# Altium PCB spd150.PcbDoc (part 12 of 15)
Units mil, origin at the board's own origin, x right, y up, seen from the top; angles counter-clockwise.
Board outline 8557 x 5807 mil, 10 copper layers (TOP, LYR2-PLN, LYR3-SIG, LYR4-SIG, LYR5-PLN, LYR6-PLN, LYR7-SIG, LYR8-SIG, LYR9-PLN, BOTTOM), stack 84 mil thick; 1065 components, 972 nets, 4226 pads, 2810 vias.
Unrouted connection lines stored in the file: 16.
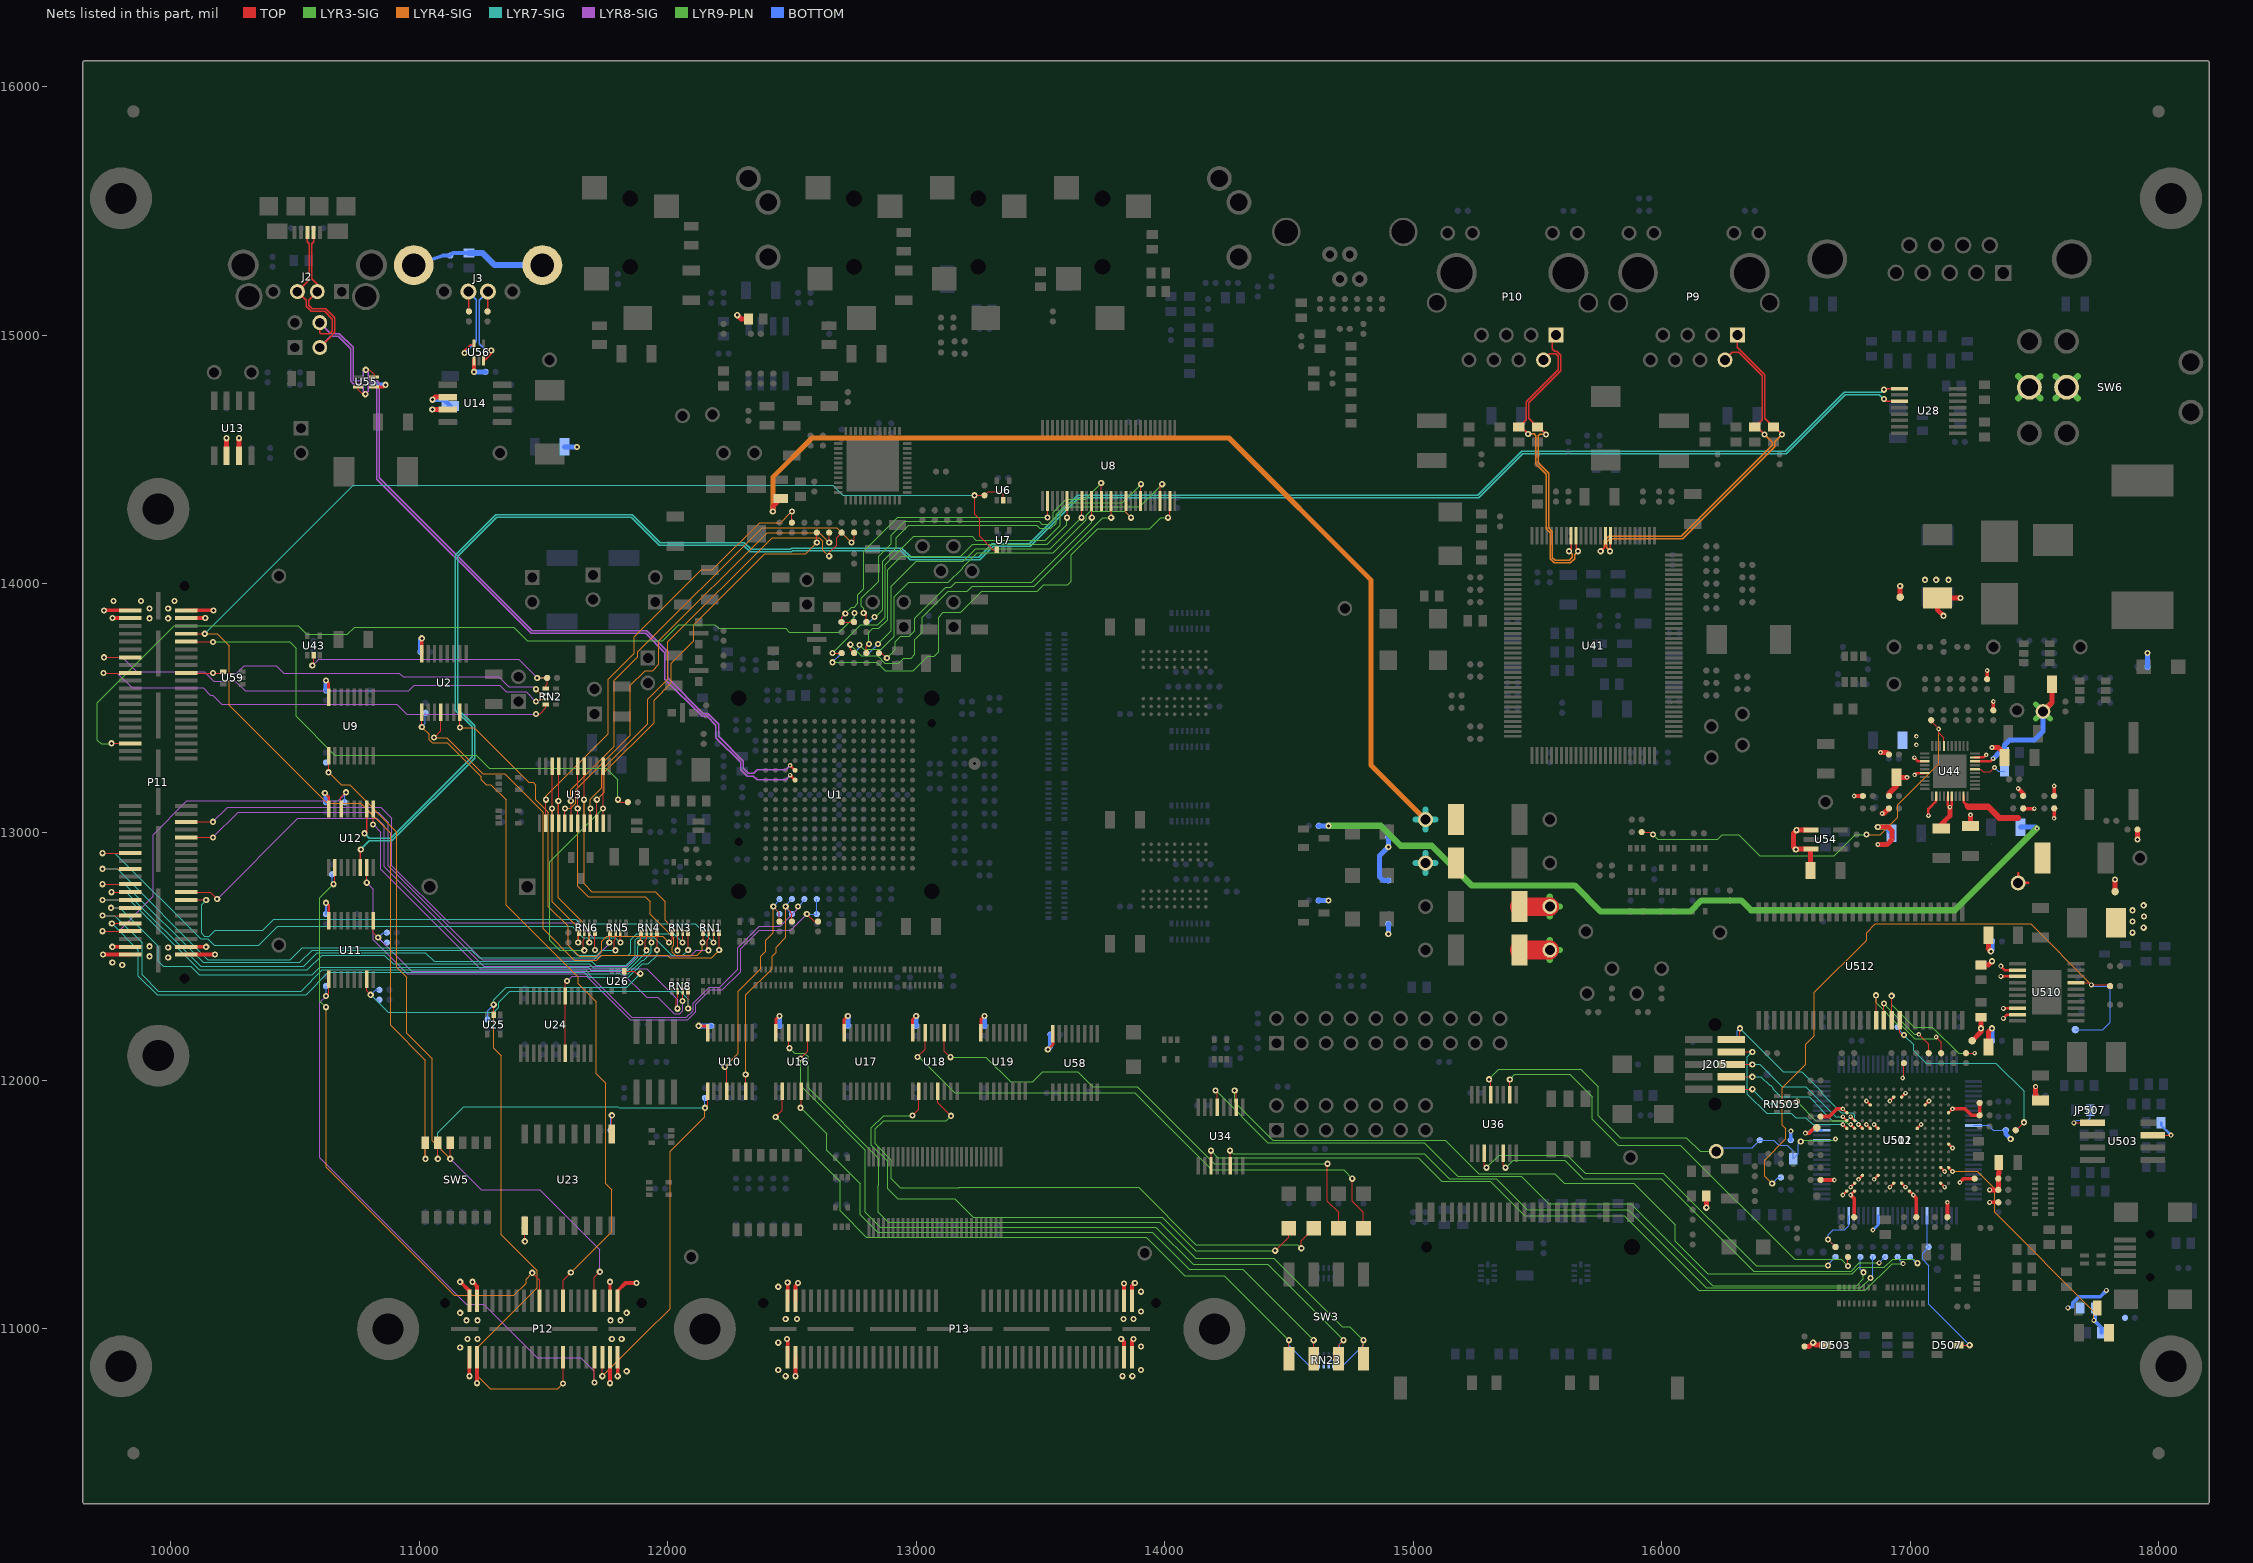
[diagram p20: the nets of this part, all layers, seen from the top]

## Via types
v1: diameter 25, hole 12, TOP to BOTTOM, 2018 vias
v2: diameter 19, hole 8, TOP to BOTTOM, 651 vias
v3: diameter 20, hole 10, TOP to BOTTOM, 120 vias
v4: diameter 22, hole 10, TOP to BOTTOM, 21 vias

## Nets (pads, with @x,y where several pads share a name; then routed paths per layer and width w, separated by ;. In a path a pad name is that pad's centre, name@x,y a point inside that pad or via, vN(x,y) a via of type N, cw(c..) or ccw(c..) an arc to the next point about the centre after c; other vN are vias at no path point) (continued)
SDCAS: R593.1 U512.17 | length 352.2
  TOP w5: U512.17@16894.5,12242 v1(16894.5,12309.5) ; v2(17035,12186) 17075,12146 R593.1@17075,12110
  LYR3-SIG w5: v1(16894.5,12309.5) 16905,12299 16905,12298.3 16970.4,12232.9 16970.4,12232.8 17017.2,12186 v2(17035,12186)
SDRAMCEN: R595.2 R613.1 U512.19 | length 876.3
  TOP w5: U512.19@16957.5,12242 16957.5,12192.2 16966.7,12183 v1(16975.1,12183) ; R595.2@17425,11800 17427,11800 v1(17459,11832)
  LYR7-SIG w4: 17088.1,12070 17255,12070
  LYR7-SIG w5: v1(16975.1,12183) 17015,12143.1 17015,12120 17065,12070 17088.1,12070 ; 17255,12070 17345,12070 17459,11956 v1(17459,11832)
  BOTTOM w5: R613.1@16950,12215 16950,12209 16975.1,12183.9 v1(16975.1,12183)
SDRAS: R594.1 U512.18 | length 584.4
  TOP w5: U512.18@16926,12242 v1(16926,12341) ; R594.1@17225,12110 v2(17260,12110)
  LYR3-SIG w5: v1(16926,12341) 16926,12305.7 17016.7,12215 17090,12215 17195,12110 v2(17260,12110)
SDWE: R592.1 U512.16 | length 508.6
  TOP w5: U512.16@16863,12242 v1(16863,12343) ; v2(17105,12175) 17125,12155 R592.1@17125,12110
  LYR3-SIG w5: v1(16863,12343) 16863,12312.7 16952.8,12222.9 16965.1,12222.9 17019,12169 17099,12169 v2(17105,12175)
SEL_ENETN_MCASP0: P11.8 R20.1 SW5.12 U6.2 U7.1 | length 6504.5
  TOP w5: P11.8@10063,13798 v1(10137,13798) ; v1(11025,11685) SW5.12@11025,11750 ; U7.1@13324.4,14136 13309,14136 13255,14190 13255,14259 13235,14279 v1(13235,14355) R20.1@13275,14355 13290,14370 13340,14370 13350,14360 U6.2@13350,14336
  LYR4-SIG w5: v1(10137,13798) 10187,13798 10235,13750 10235,13510 10630,13115 10765,13115 10885,12995 10885,12221.8 11025,12081.8 v1(11025,11685)
  LYR7-SIG w5: v1(10137,13798) 10734,14395 12665,14395 12705,14355 v1(13235,14355)
SEL_EXP2_QEP0: P12.25 R137.1 U25.2 U26.1 | length 2975.1
  TOP w5: U25.2@11300,12264 v1(11300,12305) ; v1(11579,10781) P12.25@11579,10887 ; U26.1@11825.6,12439 11866,12439 11875,12430 v1(11890,12430)
  LYR4-SIG w5: v1(11300,12305) 11300,12130 11330,12100 11330,11380 11475,11235 11475,11165 11240,10930 11240,10805 11285,10760 11558,10760 v1(11579,10781)
  LYR7-SIG w5: v1(11300,12305) 11300,12325 11350,12375 11835,12375 v1(11890,12430)
  BOTTOM w5: R137.1@11275,12245 11275,12280 v1(11300,12305)
SEL_EXP2_QEP1: P12.26 R18.1 U2.1 | length 2878.7
  TOP w5: v1(11010.4,13422.4) U2.1@11010.4,13482.4 ; P12.26@11579,11113 11579,11196 v1(11610,11227)
  LYR4-SIG w5: v1(11010.4,13422.4) 11040,13392.8 11040,13371.7 11051.7,13360 11113.3,13360 11250,13223.3 11250,13210 11269,13191 11289,13191 11350,13130 11350,12705 11640,12415 11640,12390 11712.5,12317.5 11712.5,12027.5 11750,11990 11750,11585 11775,11560 11775,11392 v1(11610,11227)
  BOTTOM w5: v1(11010.4,13422.4) 11025,13437 R18.1@11025,13480
SEL_EXP2_TIMER: P12.35 R47.1 SW5.11 U10.1 | length 2731.3
  TOP w5: v1(11075,11685) SW5.11@11075,11750 ; v1(11737,10810) P12.35@11737,10887 ; v1(12150,11890) 12150.4,11890 12160.4,11900 U10.1@12160.4,11957.4
  LYR4-SIG w5: v1(11737,10810) 11907,10980 11908.3,10980 12010.6,11082.3 12010.6,11715.6 12150,11855 v1(12150,11890)
  LYR7-SIG w5: v1(11075,11685) 11075,11790 11180,11895 11800,11895 11805,11890 v1(12150,11890)
  BOTTOM w5: v1(12150,11890) R47.1@12150,11930
SEL_EXP2_UART1: P12.34 R46.1 SW5.10 U9.1 | length 2922.3
  TOP w5: v1(10635.4,13240.4) U9.1@10635.4,13307.4 ; v1(11125,11685) SW5.10@11125,11750 ; P12.34@11705,11113 11705,11208 v1(11727,11230)
  LYR4-SIG w5: v1(10635.4,13240.4) 10685.8,13190 10720,13190 10910,13000 10910,12455 10950,12415 10950,12191 11053,12088 11053,11757 v1(11125,11685)
  LYR8-SIG w5: v1(11125,11685) 11250,11560 11485,11560 11727,11318 v1(11727,11230)
  BOTTOM w5: R46.1@10625,13280 10635.4,13269.6 v1(10635.4,13240.4)
SEL_SPI1_EXP1: P11.73 R51.1 U12.14 | length 1590.8
  TOP w5: v1(9725,12601) P11.73@9837,12601 ; U12.14@10686.6,13092.6 10685,13094.2 10685,13140 v1(10705,13160)
  LYR8-SIG w5: v1(9725,12601) 9790,12601 9930,12741 9930,12990 10065,13125 10675,13125 10705,13155 v1(10705,13160)
  BOTTOM w5: R51.1@10700,13120 10700,13155 v1(10705,13160)
SEL_SPI1_EXP2: P12.20 R50.1 U12.2 | length 2500.3
  TOP w5: v1(10655,12790) 10661,12796 U12.2@10661,12857.4 ; v1(11455,11226) 11485,11196 P12.20@11485,11113
  LYR3-SIG w5: v1(10625,12295) 10600,12320 10600,12735 v1(10655,12790)
  LYR4-SIG w5: v1(10625,12295) 10625,11651.2 11141.3,11134.9 11379.9,11134.9 11430,11185 11430,11201 v1(11455,11226)
  BOTTOM w5: R50.1@10650,12830 10650,12795 v1(10655,12790)
SEL_SPI1_EXP2_B: P12.33 R49.1 U11.1 | length 2380.3
  TOP w5: v1(10625,12340) 10635.4,12350.4 U11.1@10635.4,12407.4 ; v1(11705,10785) P12.33@11705,10887
  LYR8-SIG w5: v1(10625,12340) 10600,12315 10600,11690 11190,11100 11260,11100 11475,10885 11650,10885 11705,10830 v1(11705,10785)
  BOTTOM w5: v1(10625,12340) R49.1@10625,12380
SIN_SDA: JP507.2 U503.5 | length 178.4
  TOP w5: v3(17659.5,11829.2) 17660.3,11830 U503.5@17733.5,11830
  BOTTOM w5: v3(17659.5,11829.2) 17670.3,11840 17715,11840 17725,11850 JP507.2@17725,11880
SPI0_SCSN: R24.2 R27.1 R28.1 U24.8 U24.17 | length 1742.5
  TOP w5: U24.8@11588.4,12110 U24.17@11588.4,12340 11588.4,12393.4 v1(11595,12400) ; v1(12560,12670) 12590,12640 R28.1@12605,12640
  LYR8-SIG w5: v1(11595,12400) 11615,12420 11675,12420 11850,12245 12079.9,12245 12112.4,12277.5 12112.4,12306.6 12170.8,12365 12220,12365 12293.4,12438.4 12293.4,12529.7 12368.7,12605 12495,12605 v1(12560,12670)
  BOTTOM w5: v1(12560,12670) R24.2@12600,12670 R27.1@12600,12730
SPI1_SIMO: R37.2 R38.1 RN8.8 U11.7 | length 1629.4
  TOP w5: U11.7@10789,12407.4 10789,12361 v1(10805,12345) ; v1(12082.4,12290) RN8.8@12082.4,12359.5
  LYR7-SIG w5: v1(10805,12345) 10875,12275 11300,12275 11320,12295 11320,12315 11365,12360 12050,12360 12082.4,12327.6 v1(12082.4,12290)
  BOTTOM w5: R37.2@10840,12325 10825,12325 v1(10805,12345) 10825,12365 R38.1@10840,12365
SPI1_SOMI: R35.2 R36.1 RN8.7 U11.9 | length 1598.3
  TOP w5: U11.9@10814.6,12642.6 10814.6,12595.4 v1(10835,12575) ; v1(12059.8,12320.2) RN8.7@12059.8,12359.5
  LYR8-SIG w5: v1(10835,12575) 10970,12440 11810,12440 11915,12335 11960,12335 12026,12269 12049,12269 12059.8,12279.8 v1(12059.8,12320.2)
  BOTTOM w5: R35.2@10870,12555 10855,12555 v1(10835,12575) 10855,12595 R36.1@10870,12595
SPI_HOLD: R131.2 U23.1 | length 114
  TOP w5: v1(11425,11353) U23.1@11425,11415
  BOTTOM w5: v1(11425,11353) R131.2@11425,11405
SPI_WP: R132.2 U23.9 | length 137.1
  TOP w5: U23.9@11775,11785 v1(11775,11860)
  BOTTOM w5: R132.2@11770,11800 11770,11855 v1(11775,11860)
SYS_RESETN: R325.2 R388.1 U44.27 | length 1698.8
  TOP w5: R388.1@15920,13000 15955,13000 v1(15965,12990) ; R325.2@17085,13450 17085,13445 v2(17115,13415) 17115,13400 17136.4,13378.6 U44.27@17136.4,13346
  LYR3-SIG w5: v1(15965,12990) 15985,12970 16225,12970 16245,12990 16310,12990 16395,12905 16695,12905 16780,12990 v1(16825,12990)
  LYR4-SIG w5: v1(16825,12990) 16880,12990 16950,13060 16950,13110 17115,13275 v2(17115,13415)
T_ACLKR0: P11.17 RN2.8 | length 1978.1
  TOP w5: v1(9730,13640) P11.17@9837,13640 ; v1(11470,13475) 11485,13475 11509.5,13499.5 RN2.8@11509.5,13512.6
  LYR8-SIG w5: v1(9730,13640) 9785,13640 9845,13580 10130,13580 10160,13550 10170,13550 10205,13515 10910,13515 10950,13475 v1(11470,13475)
T_ACLKR1: P11.57 RN5.6 | length 2443.2
  TOP w5: v1(9725,12852) P11.57@9837,12852 ; v1(11789.6,12524.1) 11785,12528.7 11785,12565 11790.2,12570.2 RN5.6@11790.2,12594.5
  LYR7-SIG w5: v1(9725,12852) 9785,12852 10150,12487 10482,12487 10530,12535 11605,12535 11635.9,12504.1 11715.1,12504.1 11735.1,12524.1 v1(11789.6,12524.1)
T_ACLKX0: P11.18 RN2.6 U59.4 | length 1550
  TOP w5: P11.18@10063,13640 v1(10170,13640) 10205.4,13640 U59.4@10211,13645.6 ; v1(11470,13575) 11490.2,13554.8 RN2.6@11509.5,13554.8
  LYR8-SIG w5: v1(10170,13640) 10265,13640 10295,13670 10425,13670 10455,13640 10920,13640 10935,13625 11320,13625 11360,13585 11460,13585 v1(11470,13575)
T_ACLKX1: RN6.6 U3.11 U3.14 | length 1080.1
  TOP w5: v1(11664.6,12524.1) 11660,12528.7 11660,12565 11665.2,12570.2 RN6.6@11665.2,12594.5 ; U3.11@11740.2,13035 v1(11740.2,13095) U3.14@11740.2,13265
  LYR3-SIG w5: v1(11664.6,12524.1) 11565.9,12524.1 11525,12565 11525,12879.8 v1(11740.2,13095)
T_AFSR0: P11.13 RN2.7 | length 1978.7
  TOP w5: v1(9732,13703) P11.13@9837,13703 ; v1(11470,13525) 11480,13525 11490.2,13535.2 RN2.7@11509.5,13535.2
  LYR8-SIG w5: v1(9732,13703) 9805,13703 9863,13645 10135,13645 10172.5,13607.5 10260.5,13607.5 10300,13568 10958,13568 10980,13590 11325,13590 11350,13565 11430,13565 v1(11470,13525)
T_AFSR1: P11.53 RN5.7 | length 2447.6
  TOP w5: v1(9725,12915) P11.53@9837,12915 ; v1(11809.8,12555.2) RN5.7@11809.8,12594.5
  LYR7-SIG w5: v1(9725,12915) 9775,12915 10120,12570 10150,12570 10159,12561 10159,12560.7 10174.7,12545 10355,12545 10430,12620 11615,12620 11660,12575 11676.3,12575 11676.5,12575.2 11693.1,12575.2 11693.3,12575 11790,12575 v1(11809.8,12555.2)
T_AFSX0: R2.2 R3.1 RN2.5 U43.2 | length 1114.4
  TOP w5: v1(10570,13670) 10575,13675 U43.2@10575,13711 ; v1(11475,13620) R3.1@11515,13620 11515,13595 11509.5,13589.5 RN2.5@11509.5,13577.4
  LYR8-SIG w5: v1(10570,13670) 10595,13695 11400,13695 v1(11475,13620)
  BOTTOM w5: v1(11475,13620) R2.2@11515,13620
T_AFSX1: RN6.7 U3.4 U3.21 | length 891.8
  TOP w5: U3.4@11561,13035 11561,13124 v1(11560,13125) 11561,13126 U3.21@11561,13265 ; v1(11684.8,12555.2) RN6.7@11684.8,12594.5
  LYR4-SIG w5: v1(11560,13125) 11560,12735 11685,12610 11685,12555.4 v1(11684.8,12555.2)
T_AHCLKR0/RMII_MHZ_50: R11.1 R13.2 R17.1 U8.2 | length 1280.7
  TOP w5: v1(12715,13880) 12700,13865 R13.2@12700,13845 R11.1@12750,13845 ; v1(13529,14266) U8.2@13529,14332
  LYR3-SIG w5: v1(12715,13880) 12740,13905 12750,13905 12765,13920 12765,13955 12790,13980 12790,14130 12926,14266 v1(13529,14266)
  BOTTOM w5: R17.1@12700,13845 12700,13865 v1(12715,13880)
T_AHCLKR1: P11.50 RN5.5 | length 2164.1
  TOP w5: P11.50@10063,12978 v1(10170,12978) ; v1(11765,12555) 11767.6,12557.6 RN5.5@11767.6,12594.5
  LYR8-SIG w5: v1(10170,12978) 10272,13080 10835,13080 10875,13040 10875,12865 11253,12487 11702,12487 11765,12550 v1(11765,12555)
T_AHCLKX1: RN6.5 U3.3 U3.22 | length 854.4
  TOP w5: U3.3@11535.4,13035 11535.4,13094.6 v1(11535,13095) 11535.4,13095.4 U3.22@11535.4,13265 ; v1(11640,12555) 11642.6,12557.6 RN6.5@11642.6,12594.5
  LYR4-SIG w5: v1(11535,13095) 11535,12720 11640,12615 v1(11640,12555)
T_AIC_BCLK: R194.1 U3.10 | length 1633.4
  TOP w5: U3.10@11714.6,13035 11714.6,13083.6 11715,13084 v1(11715,13130) ; v1(12600,14165) R194.1@12600,14205
  LYR4-SIG w5: v1(11715,13130) 11745,13160 11745,13240 11945,13440 11945,13530 12015,13600 12015,13680 12105,13770 12105,13835 12390,14120 12555,14120 v1(12600,14165)
T_AIC_DIN: R196.1 U3.9 | length 1850.1
  TOP w5: U3.9@11689,13035 v1(11689,13095) ; v1(12650,14110) 12650,14125 12680,14155 12680,14185 R196.1@12700,14205
  LYR4-SIG w5: v1(11689,13095) 11689,13132.3 11735,13178.3 11735,13251 11920,13436 11920,13535 12000,13615 12000,13765 12420,14185 12610,14185 12625,14170 12625,14135 v1(12650,14110)
T_AIC_DOUT: R197.1 U3.6 | length 1938.9
  TOP w5: v1(11610,13125) 11612.2,13122.8 U3.6@11612.2,13035 ; v1(12740,14165) 12750,14175 R197.1@12750,14205
  LYR4-SIG w5: v1(11610,13125) 11610,13170 11785,13345 11785,13610 11880,13705 11880,13725 12380,14225 12680,14225 v1(12740,14165)
T_AIC_MCLK: R210.1 U3.2 | length 1786.3
  TOP w5: U3.2@11509.8,13035 11509.8,13129.8 v1(11510,13130) ; R210.1@12500,14245 v1(12500,14290)
  LYR4-SIG w5: v1(11510,13130) 11510,13145 11760,13395 11760,13615 11865,13720 11865,13785 12135,14055 12180,14055 12370,14245 12455,14245 v1(12500,14290)
T_AIC_WCLK: R195.1 U3.5 | length 1844.2
  TOP w5: U3.5@11586.6,13035 v1(11586.6,13095) ; v1(12650,14165) R195.1@12650,14205
  LYR4-SIG w5: v1(11586.6,13095) 11609,13095 11630,13116 11630,13170 11850,13390 11850,13590 11910,13650 11940,13650 11965,13675 11965,13770 12400,14205 12610,14205 v1(12650,14165)
T_AMUTE0: P11.10 R1.1 | length 2252.5
  TOP w5: P11.10@10063,13766 10169,13766 v1(10170,13765) ; v1(11800,13130) 11810,13120 R1.1@11840,13120
  LYR3-SIG w5: v1(10170,13765) 10480,13765 10505,13740 10505,13465 10660,13310 11230,13310 11282.5,13257.5 11752.5,13257.5 11800,13210 v1(11800,13130)
T_AMUTE1: P11.46 RN6.8 | length 2112.8
  TOP w5: P11.46@10063,13041 v1(10170,13041) ; v1(11707.4,12525) RN6.8@11707.4,12594.5
  LYR8-SIG w5: v1(10170,13041) 10229,13100 10845,13100 10890,13055 10890,12865 11120,12635 11640,12635 11707.4,12567.6 v1(11707.4,12525)
T_AXR0[0]/RMII_TXD[0]: R9.1 U8.6 | length 1277.5
  TOP w5: R9.1@12800,13720 12800,13747 v1(12810,13757) ; v1(13607,14265) 13607.7,14265.7 U8.6@13607.7,14332
  LYR3-SIG w5: v1(12810,13757) 12810,13805 12825,13820 12850,13820 12885,13855 12885,14055 12940,14110 13180,14110 13227.5,14157.5 13527.5,14157.5 13607,14237 v1(13607,14265)
T_AXR0[1]/RMII_TXD[1]: R10.1 U8.9 | length 1263.9
  TOP w5: v1(13665,14265) 13666.8,14266.8 U8.9@13666.8,14332
  LYR3-SIG w5: v1(12847,13757) 12900,13810 12900,13990 13000,14090 13190,14090 13240,14140 13540,14140 v1(13665,14265)
  BOTTOM w5: R10.1@12800,13720 12810,13720 v1(12847,13757)
T_AXR0[2]/RMII_TXEN: R8.1 U8.11 | length 1225.3
  TOP w5: R8.1@12850,13720 12862,13720 v1(12882,13700) ; U8.11@13706.1,14332 13706.1,14265.9 v1(13707,14265)
  LYR3-SIG w5: v1(12882,13700) 12915,13733 12915,13765 12937.5,13787.5 12972.5,13787.5 12995,13810 12995,13860 13120,13985 13140,13985 13160,14005 13465,14005 13707,14247 v1(13707,14265)
T_AXR0[3]/RMII_CRS_DV: R5.1 U8.13 | length 1437.1
  TOP w5: v1(12789,13881) 12800,13870 R5.1@12800,13845 ; v1(13744.5,14404.5) 13745.5,14403.5 U8.13@13745.5,14332
  LYR3-SIG w5: v1(12789,13881) 12789,13900 12780,13909 12780,13940 12850,14010 12850,14110 12900,14160 12900,14195 12955,14250 13495,14250 13506,14239 13531,14239 13551,14259 13551,14286 13605,14340 13680,14340 v1(13744.5,14404.5)
T_AXR0[4]/RMII_RXD[0]: R6.1 U8.15 | length 1500.9
  TOP w5: v1(12735,13754) 12735,13735 R6.1@12750,13720 ; v1(13784.8,14265.2) U8.15@13784.8,14332
  LYR3-SIG w5: v1(12735,13754) 12779,13710 12845,13710 12862,13693 12862,13691.7 12873.7,13680 12930,13680 12950,13700 12980,13700 12995,13715 12995,13775 13000,13780 13000,13780.3 13024.7,13805 13024.7,13864.7 13130,13970 13205,13970 13225,13990 13475,13990 13750,14265 13784.6,14265 v1(13784.8,14265.2)
T_AXR0[5]/RMII_RXD[1]: R7.1 U8.18 | length 1564.8
  TOP w5: U8.18@13843.9,14332 13843.9,14286.1 v1(13865,14265)
  LYR3-SIG w5: v1(12772,13753) 12790,13735 12860,13735 12912.5,13787.5 12912.5,13947.5 12970,14005 13130,14005 13187.5,14062.5 13187.5,14065.6 13245.2,14123.3 13551.6,14123.3 13685,14256.7 13685,14275 13700,14290 13840,14290 v1(13865,14265)
  BOTTOM w5: R7.1@12750,13720 12772,13742 v1(12772,13753)
T_AXR0[6]/RMII_RXER: R4.1 U8.21 | length 1572.3
  TOP w5: U8.21@13902.9,14332 13902.9,14397.9 v1(13905,14400)
  LYR3-SIG w5: v1(12832,13865) 12835,13865 12865,13895 12865,14090 12920,14145 12920,14185 12970,14235 13485,14235 13497.5,14222.5 13542.5,14222.5 13563.5,14243.5 13563.5,14278.5 13610,14325 13830,14325 v1(13905,14400)
  BOTTOM w5: R4.1@12800,13845 12812,13845 v1(12832,13865)
T_AXR0[7]/RMII_MDIO_CLK: R14.1 U8.27 | length 1884.3
  TOP w5: v1(14013,14265) 14021,14273 U8.27@14021,14332
  LYR3-SIG w5: v1(12663,13683) 12842,13683 12875,13650 12989,13650 13046.9,13707.1 13072.1,13707.1 13090,13725 13090,13865 13110,13885 13180,13885 13263.3,13968.3 13486.6,13968.3 13513.3,13995 13610,13995 13625,14010 13625,14115 13730,14220 13940,14220 13985,14265 v1(14013,14265)
  BOTTOM w5: v1(12663,13683) R14.1@12700,13720
T_AXR0[8]/RMII_MDIO_D: R12.1 U8.25 | length 1878.9
  TOP w5: v1(12663,13720) R12.1@12700,13720 ; U8.25@13981.6,14332 13981.6,14391.6 v1(13990,14400)
  LYR3-SIG w5: v1(12663,13720) 12778,13835 12845,13835 12875,13865 12875,14075 12990,14190 13225,14190 13240,14175 13520,14175 13580,14235 13580,14280 13610,14310 13900,14310 v1(13990,14400)
T_AXR0_11/AXR2_0/GPIO3_11: P11.35 R16.1 | length 3632
  TOP w5: v1(9762,13357) P11.35@9837,13357
  LYR3-SIG w5: v1(9762,13357) 9760,13355 9720,13355 9705,13370 9705,13520 10015,13830 10513,13830 10548,13795 10710,13795 10740,13825 11380,13825 11435,13770 11980,13770 12045,13835 12190,13835 12205,13820 12475,13820 12490,13805 12690,13805 12752,13867 v1(12752,13882)
  BOTTOM w5: R16.1@12750,13845 12750,13880 v1(12752,13882)
T_AXR1[0]: RN1.5 U3.7 U3.18 | length 1311.6
  TOP w5: U3.7@11637.8,13035 v1(11637.8,13095) U3.18@11637.8,13265 ; v1(12140,12555) 12142.6,12557.6 RN1.5@12142.6,12594.5
  LYR4-SIG w5: v1(11637.8,13095) 11637.8,12782.2 11680,12740 11910,12740 11930,12720 11930,12670 12025,12575 12025,12545 12019,12539 12019,12516.4 12031.4,12504 12119,12504 12140,12525 v1(12140,12555)
T_AXR1[1]: P11.64 RN1.6 | length 2691.9
  TOP w5: P11.64@10063,12758 10159,12758 v1(10187,12730) ; v1(12164.6,12524.1) 12160,12528.7 12160,12565 12165.2,12570.2 RN1.6@12165.2,12594.5
  LYR8-SIG w5: v1(10187,12730) 10512,13055 10830,13055 10860,13025 10860,12860 11260,12460 11835,12460 11877,12502 12092,12502 12114.1,12524.1 v1(12164.6,12524.1)
T_AXR1[2]: P11.66 RN1.7 | length 2395
  TOP w5: P11.66@10063,12727 v1(10143,12727) ; v1(12184.8,12555.2) RN1.7@12184.8,12594.5
  LYR7-SIG w5: v1(10143,12727) 10124,12708 10124,12592.7 10135.7,12581 10156.1,12581 10160,12584.9 10160,12585 10180,12605 10370,12605 10415,12650 11630,12650 11650,12630 12110,12630 v1(12184.8,12555.2)
T_AXR1[3]: RN1.8 U2.4 | length 2001.5
  TOP w5: v1(11060,13380) 11087.2,13407.2 U2.4@11087.2,13482.4 ; v1(12207.4,12525) RN1.8@12207.4,12594.5
  LYR4-SIG w5: v1(11060,13380) 11110,13380 11255,13235 11345,13235 11500,13080 11500,12610 11625,12485 11715,12485 11734,12504 11999,12504 12009,12494 12176.4,12494 v1(12207.4,12525)
T_AXR1[4]: RN3.5 U2.7 | length 1696.6
  TOP w5: v1(11164,13421) U2.7@11164,13482.4 ; v1(12005,12555) 12017.6,12567.6 RN3.5@12017.6,12594.5
  LYR4-SIG w5: v1(11164,13421) 11165,13420 11222.3,13420 11441.7,13200.6 11458.3,13200.6 11470,13188.9 11470,13130 11520,13080 11520,12700 11600,12620 11600,12545 11645,12500 11715,12500 11735,12520 11735,12560 11755,12580 11980,12580 v1(12005,12555)
T_AXR1[5]: RN3.6 U3.8 U3.17 | length 1211.8
  TOP w5: U3.8@11663.4,13035 v1(11663.4,13130) U3.17@11663.4,13265 ; v1(12039.6,12524.1) 12039.6,12569.6 12040.2,12570.2 RN3.6@12040.2,12594.5
  LYR4-SIG w5: v1(11663.4,13130) 11663.4,12791.6 11695,12760 11950,12760 11990,12720 11990,12645 12039.6,12595.4 v1(12039.6,12524.1)
T_AXR1[6]: P11.61 RN3.7 | length 2735
  TOP w5: v1(9725,12790) P11.61@9837,12790 ; v1(12059.8,12555.2) RN3.7@12059.8,12594.5
  LYR7-SIG w5: v1(9725,12790) 9815,12790 10130,12475 10520,12475 10570,12525 11210,12525 11241,12494 11720,12494 11730,12504 11841.4,12504 11852.4,12515 11852.4,12567.4 11875,12590 12025,12590 v1(12059.8,12555.2)
T_AXR1[7]: P11.63 RN3.8 | length 2754.6
  TOP w5: v1(9762,12758) P11.63@9837,12758 ; v1(12082.4,12525) RN3.8@12082.4,12594.5
  LYR7-SIG w5: v1(9762,12758) 9822,12758 10120,12460 10535,12460 10590,12515 11025,12515 11060,12480 11695,12480 11711,12464 11833.4,12464 11870,12500.6 11870,12565.8 11879.2,12575 11926.3,12575 11926.5,12575.2 11943.1,12575.2 11943.3,12575 11945,12575 12015.9,12504.1 12061.5,12504.1 v1(12082.4,12525)
T_AXR1[8]: P11.65 RN4.5 | length 2550.7
  TOP w5: v1(9725,12727) P11.65@9837,12727 ; v1(11890,12555) 11892.6,12557.6 RN4.5@11892.6,12594.5
  LYR7-SIG w5: v1(9725,12727) 9833.8,12727 10115.8,12445 10550,12445 10610,12505 10860,12505 10895,12470 11685,12470 11701,12454 11837.6,12454 11880,12496.4 11880,12540 11890,12550 v1(11890,12555)
T_AXR1[9]: P11.67 RN4.6 | length 2507.5
  TOP w5: v1(9760,12695) P11.67@9837,12695 ; v1(11914.6,12524.1) 11910,12528.7 11910,12565 11915.2,12570.2 RN4.6@11915.2,12594.5
  LYR7-SIG w5: v1(9760,12695) 9795,12695 9950,12540 9950,12480 9970,12460 10080,12460 10115,12425 10570,12425 10600,12455 11680,12455 11691,12444 11841.8,12444 11914.6,12516.8 v1(11914.6,12524.1)

## Text inside footprints (layer, text, board x,y; h text height)
C228: PIN_NUMBER "2" at 16217,14480 h20 r270; PIN_NUMBER "1" at 16217,14520 h20 r270; ASSEMBLY_TOP "USERPART#" at 16075,14500 h25 r270; ASSEMBLY_TOP "TOLERANCE" at 16125,14500 h25 r270; ASSEMBLY_TOP "0.1uF" at 16225,14500 h25 r270; SYMBOL_PART_DIM "0" at 16212,14592 h25 r270; SYMBOL_PART_DIM "0" at 16141,14508 h25 r270; SYMBOL_PART_DIM "C402-35X32" at 16087,14623 h25 r270; SYMBOL_PART_DIM "PAD 35X32 OV" at 16037,14623 h25 r270
C229: PIN_NUMBER "2" at 15492,14480 h20 r270; PIN_NUMBER "1" at 15492,14520 h20 r270; ASSEMBLY_TOP "USERPART#" at 15350,14500 h25 r270; ASSEMBLY_TOP "TOLERANCE" at 15400,14500 h25 r270; ASSEMBLY_TOP "0.1uF" at 15500,14500 h25 r270; SYMBOL_PART_DIM "0" at 15487,14592 h25 r270; SYMBOL_PART_DIM "0" at 15416,14508 h25 r270; SYMBOL_PART_DIM "C402-35X32" at 15362,14623 h25 r270; SYMBOL_PART_DIM "PAD 35X32 OV" at 15312,14623 h25 r270
C230: PIN_NUMBER "2" at 16036,14495 h35 r180; PIN_NUMBER "1" at 16036,14655 h35 r180; Top Overlay "1000pF 2kV" at 15938,14587 h25 r180; Top Overlay "X" at 15919,14587 h25 r180; Top Overlay "X" at 15903,14585 h25 r180
C231: PIN_NUMBER "2" at 16369,14675 h40 r180; PIN_NUMBER "1" at 16249,14675 h40 r180; SYMB_DIM "0" at 16150,14700 h40 r180; SYMB_DIM "0" at 16300,14825 h40 r180; SYMB_DIM "C1206-40X70" at 16249,14470 h40 r180; SYMB_DIM "SP  40X70OV" at 16259,15050 h40 r180; SYMB_DIM "SM  48X78" at 16241,14975 h40 r180; SYMB_DIM "PAD 40X70OV" at 16259,14900 h40 r180; ASSEMBLY_BOTTOM "+" at 16210,14690 h40 r180; ASSEMBLY_BOTTOM "X" at 16365,14690 h40 r180; ASSEMBLY_BOTTOM "X" at 16325,14690 h40 r180; ASSEMBLY_BOTTOM "10uF" at 16290,14690 h40 r180; Bottom Overlay "+" at 16200,14680 h35 r180
C232: PIN_NUMBER "2" at 15267,14480 h20 r270; PIN_NUMBER "1" at 15267,14520 h20 r270; ASSEMBLY_TOP "USERPART#" at 15125,14500 h25 r270; ASSEMBLY_TOP "TOLERANCE" at 15175,14500 h25 r270; ASSEMBLY_TOP "0.1uF" at 15275,14500 h25 r270; SYMBOL_PART_DIM "0" at 15262,14592 h25 r270; SYMBOL_PART_DIM "0" at 15191,14508 h25 r270; SYMBOL_PART_DIM "C402-35X32" at 15137,14623 h25 r270; SYMBOL_PART_DIM "PAD 35X32 OV" at 15087,14623 h25 r270
C233: PIN_NUMBER "2" at 10567,13730 h20 r90; PIN_NUMBER "1" at 10567,13770 h20 r90; ASSEMBLY_BOTTOM "USERPART#" at 10725,13750 h25 r90; ASSEMBLY_BOTTOM "TOLERANCE" at 10675,13750 h25 r90; SYMBOL_PART_DIM "0" at 10588,13842 h25 r90; SYMBOL_PART_DIM "0" at 10659,13758 h25 r90; SYMBOL_PART_DIM "C402-35X32" at 10713,13873 h25 r90; SYMBOL_PART_DIM "PAD 35X32 OV" at 10763,13873 h25 r90
C234: PIN_NUMBER "2" at 16809,13220 h40 r180; PIN_NUMBER "1" at 16929,13220 h40 r180; Top Overlay "+" at 17020,13215 h35 r180; ASSEMBLY_TOP "+" at 17000,13235 h40 r180; ASSEMBLY_TOP "X" at 16845,13235 h40 r180; ASSEMBLY_TOP "X" at 16885,13235 h40 r180; ASSEMBLY_TOP "10uF" at 16920,13235 h40 r180; SYMB_DIM "0" at 17060,13245 h40 r180; SYMB_DIM "0" at 16910,13370 h40 r180; SYMB_DIM "C1206-40X70" at 16609,13015 h40 r180; SYMB_DIM "SP  40X70OV" at 16599,13595 h40 r180; SYMB_DIM "SM  48X78" at 16681,13520 h40 r180; SYMB_DIM "PAD 40X70OV" at 16599,13445 h40 r180
C235: PIN_NUMBER "2" at 16907,13145 h20; PIN_NUMBER "1" at 16947,13145 h20; ASSEMBLY_BOTTOM "USERPART#" at 16935,12995 h25; ASSEMBLY_BOTTOM "TOLERANCE" at 16935,13045 h25; ASSEMBLY_BOTTOM "0.1uF" at 16935,13145 h25; SYMBOL_PART_DIM "0" at 17027,13132 h25; SYMBOL_PART_DIM "0" at 16943,13061 h25; SYMBOL_PART_DIM "C402-35X32" at 17058,13007 h25; SYMBOL_PART_DIM "PAD 35X32 OV" at 17058,12957 h25
C236: PIN_NUMBER "2" at 16834,13370 h40; PIN_NUMBER "1" at 16954,13370 h40; SYMB_DIM "0" at 17085,13345 h40; SYMB_DIM "0" at 16935,13220 h40; SYMB_DIM "C1206-40X70" at 16634,13575 h40; SYMB_DIM "SP  40X70OV" at 16624,12995 h40; SYMB_DIM "SM  48X78" at 16706,13070 h40; SYMB_DIM "PAD 40X70OV" at 16624,13145 h40; ASSEMBLY_BOTTOM "X" at 16870,13355 h40; ASSEMBLY_BOTTOM "X" at 16910,13355 h40; ASSEMBLY_BOTTOM "22uF" at 16945,13355 h40
C237: PIN_NUMBER "2" at 17029,12995 h40 r180; PIN_NUMBER "1" at 16909,12995 h40 r180; SYMB_DIM "0" at 16810,13020 h40 r180; SYMB_DIM "0" at 16960,13145 h40 r180; SYMB_DIM "C1206-40X70" at 16909,12790 h40 r180; SYMB_DIM "SP  40X70OV" at 16919,13370 h40 r180; SYMB_DIM "SM  48X78" at 16901,13295 h40 r180; SYMB_DIM "PAD 40X70OV" at 16919,13220 h40 r180; ASSEMBLY_BOTTOM "X" at 17025,13010 h40 r180; ASSEMBLY_BOTTOM "X" at 16985,13010 h40 r180; ASSEMBLY_BOTTOM "22uF" at 16950,13010 h40 r180
C238: PIN_NUMBER "2" at 17109,12895 h40 r270; PIN_NUMBER "1" at 17109,13015 h40 r270; Top Overlay "+" at 17130,13075 h35 r270; ASSEMBLY_TOP "+" at 17110,13070 h40 r270; ASSEMBLY_TOP "X" at 17110,12915 h40 r270; ASSEMBLY_TOP "X" at 17110,12955 h40 r270; ASSEMBLY_TOP "10uF" at 17110,12990 h40 r270; SYMB_DIM "0" at 17100,13130 h40 r270; SYMB_DIM "0" at 16975,12980 h40 r270; SYMB_DIM "C1206-40X70" at 17154,12855 h40 r270; SYMB_DIM "SP  40X70OV" at 16574,12845 h40 r270; SYMB_DIM "SM  48X78" at 16681,12895 h40 r270; SYMB_DIM "PAD 40X70OV" at 16724,12845 h40 r270
C239: PIN_NUMBER "2" at 17102,13615 h20 r90; PIN_NUMBER "1" at 17102,13575 h20 r90; ASSEMBLY_TOP "USERPART#" at 17260,13595 h25 r90; ASSEMBLY_TOP "TOLERANCE" at 17210,13595 h25 r90; ASSEMBLY_TOP "0.001uF" at 17110,13595 h25 r90; SYMBOL_PART_DIM "0" at 17123,13503 h25 r90; SYMBOL_PART_DIM "0" at 17194,13587 h25 r90; SYMBOL_PART_DIM "C402-35X32" at 17248,13472 h25 r90; SYMBOL_PART_DIM "PAD 35X32 OV" at 17298,13472 h25 r90
C240: PIN_NUMBER "2" at 17227,12904 h40 r270; PIN_NUMBER "1" at 17227,13024 h40 r270; Top Overlay "+" at 17195,13075 h35 r270; ASSEMBLY_TOP "+" at 17228,13079 h40 r270; ASSEMBLY_TOP "X" at 17228,12924 h40 r270; ASSEMBLY_TOP "X" at 17228,12964 h40 r270; ASSEMBLY_TOP "10uF" at 17228,12999 h40 r270; SYMB_DIM "0" at 17218,13139 h40 r270; SYMB_DIM "0" at 17093,12989 h40 r270; SYMB_DIM "C1206-40X70" at 17272,12864 h40 r270; SYMB_DIM "SP  40X70OV" at 16692,12854 h40 r270; SYMB_DIM "SM  48X78" at 16799,12904 h40 r270; SYMB_DIM "PAD 40X70OV" at 16842,12854 h40 r270
C241: PIN_NUMBER "2" at 17309,13020 h40; PIN_NUMBER "1" at 17429,13020 h40; SYMB_DIM "0" at 17560,12995 h40; SYMB_DIM "0" at 17410,12870 h40; SYMB_DIM "C1206-40X70" at 17109,13225 h40; SYMB_DIM "SP  40X70OV" at 17099,12645 h40; SYMB_DIM "SM  48X78" at 17181,12720 h40; SYMB_DIM "PAD 40X70OV" at 17099,12795 h40; ASSEMBLY_BOTTOM "X" at 17345,13005 h40; ASSEMBLY_BOTTOM "X" at 17385,13005 h40; ASSEMBLY_BOTTOM "22uF" at 17420,13005 h40
C242: PIN_NUMBER "2" at 17499,13395 h40; PIN_NUMBER "1" at 17379,13395 h40; ASSEMBLY_TOP "X" at 17495,13380 h40; ASSEMBLY_TOP "X" at 17455,13380 h40; ASSEMBLY_TOP "22uF" at 17420,13380 h40; SYMB_DIM "0" at 17280,13370 h40; SYMB_DIM "0" at 17430,13245 h40; SYMB_DIM "C1206-40X70" at 17379,13600 h40; SYMB_DIM "SP  40X70OV" at 17389,13020 h40; SYMB_DIM "SM  48X78" at 17371,13095 h40; SYMB_DIM "PAD 40X70OV" at 17389,13170 h40
C243: PIN_NUMBER "2" at 17429,13330 h20 r180; PIN_NUMBER "1" at 17369,13330 h20 r180; SYMB_DIM "0" at 17270,13340 h40 r180; SYMB_DIM "0" at 17390,13455 h40 r180; SYMB_DIM "C603-35X45" at 17260,13170 h40 r180; SYMB_DIM "SP  35X45OV" at 17250,13665 h40 r180; SYMB_DIM "SM  43X53OV" at 17250,13595 h40 r180; SYMB_DIM "PAD 35X45OV" at 17250,13520 h40 r180; ASSEMBLY_BOTTOM "X" at 17460,13330 h40 r180; ASSEMBLY_BOTTOM "X" at 17425,13335 h40 r180; ASSEMBLY_BOTTOM "2.2uF" at 17390,13335 h40 r180
C244: PIN_NUMBER "2" at 17484,13300 h40; PIN_NUMBER "1" at 17364,13300 h40; Top Overlay "+" at 17365,13230 h35; ASSEMBLY_TOP "+" at 17325,13285 h40; ASSEMBLY_TOP "X" at 17480,13285 h40; ASSEMBLY_TOP "X" at 17440,13285 h40; ASSEMBLY_TOP "10uF" at 17405,13285 h40; SYMB_DIM "0" at 17265,13275 h40; SYMB_DIM "0" at 17415,13150 h40; SYMB_DIM "C1206-40X70" at 17364,13505 h40; SYMB_DIM "SP  40X70OV" at 17374,12925 h40; SYMB_DIM "SM  48X78" at 17356,13000 h40; SYMB_DIM "PAD 40X70OV" at 17374,13075 h40
C245: PIN_NUMBER "2" at 17429,13255 h20 r180; PIN_NUMBER "1" at 17369,13255 h20 r180; SYMB_DIM "0" at 17270,13265 h40 r180; SYMB_DIM "0" at 17390,13380 h40 r180; SYMB_DIM "C603-35X45" at 17260,13095 h40 r180; SYMB_DIM "SP  35X45OV" at 17250,13590 h40 r180; SYMB_DIM "SM  43X53OV" at 17250,13520 h40 r180; SYMB_DIM "PAD 35X45OV" at 17250,13445 h40 r180; ASSEMBLY_BOTTOM "X" at 17460,13255 h40 r180; ASSEMBLY_BOTTOM "X" at 17425,13260 h40 r180; ASSEMBLY_BOTTOM "2.2uF" at 17390,13260 h40 r180
C246: PIN_NUMBER "2" at 17452,13715 h20 r270; PIN_NUMBER "1" at 17452,13675 h20 r270; ASSEMBLY_BOTTOM "USERPART#" at 17310,13695 h25 r270; ASSEMBLY_BOTTOM "TOLERANCE" at 17360,13695 h25 r270; ASSEMBLY_BOTTOM "0.1uF" at 17460,13695 h25 r270; SYMBOL_PART_DIM "0" at 17447,13603 h25 r270; SYMBOL_PART_DIM "0" at 17376,13687 h25 r270; SYMBOL_PART_DIM "C402-35X32" at 17322,13572 h25 r270; SYMBOL_PART_DIM "PAD 35X32 OV" at 17272,13572 h25 r270
C247: PIN_NUMBER "2" at 16122,12995 h20 r180; PIN_NUMBER "1" at 16162,12995 h20 r180; ASSEMBLY_TOP "USERPART#" at 16150,13145 h25 r180; ASSEMBLY_TOP "TOLERANCE" at 16150,13095 h25 r180; ASSEMBLY_TOP "0.1uF" at 16150,12995 h25 r180; SYMBOL_PART_DIM "0" at 16242,13008 h25 r180; SYMBOL_PART_DIM "0" at 16158,13079 h25 r180; SYMBOL_PART_DIM "C402-35X32" at 16273,13133 h25 r180; SYMBOL_PART_DIM "PAD 35X32 OV" at 16273,13183 h25 r180
C248: PIN_NUMBER "2" at 17532,13670 h20; PIN_NUMBER "1" at 17572,13670 h20; ASSEMBLY_BOTTOM "USERPART#" at 17560,13520 h25; ASSEMBLY_BOTTOM "TOLERANCE" at 17560,13570 h25; ASSEMBLY_BOTTOM "0.1uF" at 17560,13670 h25; SYMBOL_PART_DIM "0" at 17652,13657 h25; SYMBOL_PART_DIM "0" at 17568,13586 h25; SYMBOL_PART_DIM "C402-35X32" at 17683,13532 h25; SYMBOL_PART_DIM "PAD 35X32 OV" at 17683,13482 h25
C249: PIN_NUMBER "2" at 15997,12995 h20 r180; PIN_NUMBER "1" at 16037,12995 h20 r180; ASSEMBLY_TOP "USERPART#" at 16025,13145 h25 r180; ASSEMBLY_TOP "TOLERANCE" at 16025,13095 h25 r180; ASSEMBLY_TOP "0.1uF" at 16025,12995 h25 r180; SYMBOL_PART_DIM "0" at 16117,13008 h25 r180; SYMBOL_PART_DIM "0" at 16033,13079 h25 r180; SYMBOL_PART_DIM "C402-35X32" at 16148,13133 h25 r180; SYMBOL_PART_DIM "PAD 35X32 OV" at 16148,13183 h25 r180
C250: PIN_NUMBER "2" at 16817,13595 h20 r180; PIN_NUMBER "1" at 16777,13595 h20 r180; ASSEMBLY_BOTTOM "USERPART#" at 16805,13745 h25 r180; ASSEMBLY_BOTTOM "TOLERANCE" at 16805,13695 h25 r180; ASSEMBLY_BOTTOM "0.1uF" at 16805,13595 h25 r180; SYMBOL_PART_DIM "0" at 16713,13608 h25 r180; SYMBOL_PART_DIM "0" at 16797,13679 h25 r180; SYMBOL_PART_DIM "C402-35X32" at 16682,13733 h25 r180; SYMBOL_PART_DIM "PAD 35X32 OV" at 16682,13783 h25 r180
C251: PIN_NUMBER "2" at 15962,12810 h20 r90; PIN_NUMBER "1" at 15962,12850 h20 r90; ASSEMBLY_BOTTOM "USERPART#" at 16120,12830 h25 r90; ASSEMBLY_BOTTOM "TOLERANCE" at 16070,12830 h25 r90; ASSEMBLY_BOTTOM "0.1uF" at 15970,12830 h25 r90; SYMBOL_PART_DIM "0" at 15983,12922 h25 r90; SYMBOL_PART_DIM "0" at 16054,12838 h25 r90; SYMBOL_PART_DIM "C402-35X32" at 16108,12953 h25 r90; SYMBOL_PART_DIM "PAD 35X32 OV" at 16158,12953 h25 r90
C252: PIN_NUMBER "2" at 16702,13635 h20 r270; PIN_NUMBER "1" at 16702,13595 h20 r270; ASSEMBLY_BOTTOM "USERPART#" at 16560,13615 h25 r270; ASSEMBLY_BOTTOM "TOLERANCE" at 16610,13615 h25 r270; ASSEMBLY_BOTTOM "0.1uF" at 16710,13615 h25 r270; SYMBOL_PART_DIM "0" at 16697,13523 h25 r270; SYMBOL_PART_DIM "0" at 16626,13607 h25 r270; SYMBOL_PART_DIM "C402-35X32" at 16572,13492 h25 r270; SYMBOL_PART_DIM "PAD 35X32 OV" at 16522,13492 h25 r270
C253: PIN_NUMBER "2" at 17677,13565 h20 r270; PIN_NUMBER "1" at 17677,13525 h20 r270; ASSEMBLY_BOTTOM "USERPART#" at 17535,13545 h25 r270; ASSEMBLY_BOTTOM "TOLERANCE" at 17585,13545 h25 r270; ASSEMBLY_BOTTOM "0.1uF" at 17685,13545 h25 r270; SYMBOL_PART_DIM "0" at 17672,13453 h25 r270; SYMBOL_PART_DIM "0" at 17601,13537 h25 r270; SYMBOL_PART_DIM "C402-35X32" at 17547,13422 h25 r270; SYMBOL_PART_DIM "PAD 35X32 OV" at 17497,13422 h25 r270
C254: PIN_NUMBER "2" at 17757,13520 h20; PIN_NUMBER "1" at 17797,13520 h20; ASSEMBLY_BOTTOM "USERPART#" at 17785,13370 h25; ASSEMBLY_BOTTOM "TOLERANCE" at 17785,13420 h25; ASSEMBLY_BOTTOM "0.1uF" at 17785,13520 h25; SYMBOL_PART_DIM "0" at 17877,13507 h25; SYMBOL_PART_DIM "0" at 17793,13436 h25; SYMBOL_PART_DIM "C402-35X32" at 17908,13382 h25; SYMBOL_PART_DIM "PAD 35X32 OV" at 17908,13332 h25
C255: PIN_NUMBER "2" at 15867,12765 h20 r270; PIN_NUMBER "1" at 15867,12725 h20 r270; ASSEMBLY_BOTTOM "USERPART#" at 15725,12745 h25 r270; ASSEMBLY_BOTTOM "TOLERANCE" at 15775,12745 h25 r270; SYMBOL_PART_DIM "0" at 15862,12653 h25 r270; SYMBOL_PART_DIM "0" at 15791,12737 h25 r270; SYMBOL_PART_DIM "C402-35X32" at 15737,12622 h25 r270; SYMBOL_PART_DIM "PAD 35X32 OV" at 15687,12622 h25 r270
C256: PIN_NUMBER "2" at 16117,12765 h20 r270; PIN_NUMBER "1" at 16117,12725 h20 r270; ASSEMBLY_BOTTOM "USERPART#" at 15975,12745 h25 r270; ASSEMBLY_BOTTOM "TOLERANCE" at 16025,12745 h25 r270; ASSEMBLY_BOTTOM "0.1uF" at 16125,12745 h25 r270; SYMBOL_PART_DIM "0" at 16112,12653 h25 r270; SYMBOL_PART_DIM "0" at 16041,12737 h25 r270; SYMBOL_PART_DIM "C402-35X32" at 15987,12622 h25 r270; SYMBOL_PART_DIM "PAD 35X32 OV" at 15937,12622 h25 r270
C257: PIN_NUMBER "2" at 15992,12765 h20 r270; PIN_NUMBER "1" at 15992,12725 h20 r270; ASSEMBLY_BOTTOM "USERPART#" at 15850,12745 h25 r270; ASSEMBLY_BOTTOM "TOLERANCE" at 15900,12745 h25 r270; ASSEMBLY_BOTTOM "0.1uF" at 16000,12745 h25 r270; SYMBOL_PART_DIM "0" at 15987,12653 h25 r270; SYMBOL_PART_DIM "0" at 15916,12737 h25 r270; SYMBOL_PART_DIM "C402-35X32" at 15862,12622 h25 r270; SYMBOL_PART_DIM "PAD 35X32 OV" at 15812,12622 h25 r270
C258: PIN_NUMBER "2" at 16167,12725 h20 r90; PIN_NUMBER "1" at 16167,12765 h20 r90; ASSEMBLY_BOTTOM "USERPART#" at 16325,12745 h25 r90; ASSEMBLY_BOTTOM "TOLERANCE" at 16275,12745 h25 r90; ASSEMBLY_BOTTOM "1uF" at 16175,12745 h25 r90; SYMBOL_PART_DIM "0" at 16188,12837 h25 r90; SYMBOL_PART_DIM "0" at 16259,12753 h25 r90; SYMBOL_PART_DIM "C402-35X32" at 16313,12868 h25 r90; SYMBOL_PART_DIM "PAD 35X32 OV" at 16363,12868 h25 r90
C259: PIN_NUMBER "2" at 17119,14195 h40 r90; PIN_NUMBER "1" at 17069,13870 h40 r90; ASSEMBLY_TOP "X" at 17180,14045 h40 r90; ASSEMBLY_TOP "X" at 17180,13995 h40 r90; ASSEMBLY_TOP "47uF" at 17180,13950 h40 r90; SYMB_DIM "0" at 17130,13765 h40 r90; SYMB_DIM "0" at 17330,14050 h40 r90; SYMB_DIM "C7343-84X118" at 16710,13770 h40 r90; SYMB_DIM "SP  84X118REC" at 17560,13770 h40 r90; SYMB_DIM "SM  92X126REC" at 17485,13770 h40 r90; SYMB_DIM "PAD 84X118REC" at 17410,13770 h40 r90
C260: PIN_NUMBER "2" at 16704,12845 h40; PIN_NUMBER "1" at 16584,12845 h40; Top Overlay "+" at 16535,12840 h35; ASSEMBLY_TOP "+" at 16545,12830 h40; ASSEMBLY_TOP "X" at 16700,12830 h40; ASSEMBLY_TOP "X" at 16660,12830 h40; ASSEMBLY_TOP "10uF" at 16625,12830 h40; SYMB_DIM "0" at 16485,12820 h40; SYMB_DIM "0" at 16635,12695 h40; SYMB_DIM "C1206-40X70" at 16584,13050 h40; SYMB_DIM "SP  40X70OV" at 16594,12470 h40; SYMB_DIM "SM  48X78" at 16576,12545 h40; SYMB_DIM "PAD 40X70OV" at 16594,12620 h40
C261: PIN_NUMBER "2" at 16777,12950 h20 r270; PIN_NUMBER "1" at 16777,12990 h20 r270; ASSEMBLY_TOP "USERPART#" at 16635,12970 h25 r270; ASSEMBLY_TOP "TOLERANCE" at 16685,12970 h25 r270; ASSEMBLY_TOP "5.6pF" at 16785,12970 h25 r270; SYMBOL_PART_DIM "0" at 16772,13062 h25 r270; SYMBOL_PART_DIM "0" at 16701,12978 h25 r270; SYMBOL_PART_DIM "C402-35X32" at 16647,13093 h25 r270; SYMBOL_PART_DIM "PAD 35X32 OV" at 16597,13093 h25 r270
C262: PIN_NUMBER "2" at 16644,13355 h40 r90; PIN_NUMBER "1" at 16644,13235 h40 r90; Top Overlay "+" at 16725,13230 h35 r90; ASSEMBLY_TOP "+" at 16675,13180 h40 r90; ASSEMBLY_TOP "X" at 16675,13335 h40 r90; ASSEMBLY_TOP "X" at 16675,13295 h40 r90; ASSEMBLY_TOP "10uF" at 16675,13260 h40 r90; SYMB_DIM "0" at 16685,13120 h40 r90; SYMB_DIM "0" at 16810,13270 h40 r90; SYMB_DIM "C1206-40X70" at 16279,13395 h40 r90; SYMB_DIM "SP  40X70OV" at 16859,13405 h40 r90; SYMB_DIM "SM  48X78" at 16816,13355 h40 r90; SYMB_DIM "PAD 40X70OV" at 16709,13405 h40 r90
C263: PIN_NUMBER "2" at 11299.3,14852 h20 r180; PIN_NUMBER "1" at 11259.3,14852 h20 r180; ASSEMBLY_BOTTOM "USERPART#" at 11287.3,15002 h25 r180; ASSEMBLY_BOTTOM "TOLERANCE" at 11287.3,14952 h25 r180; ASSEMBLY_BOTTOM "0.1uF" at 11287.3,14852 h25 r180; SYMBOL_PART_DIM "0" at 11195.3,14865 h25 r180; SYMBOL_PART_DIM "0" at 11279.3,14936 h25 r180; SYMBOL_PART_DIM "C402-35X32" at 11164.3,14990 h25 r180; SYMBOL_PART_DIM "PAD 35X32 OV" at 11164.3,15040 h25 r180
C264: PIN_NUMBER "2" at 10772,14800 h20; PIN_NUMBER "1" at 10812,14800 h20; ASSEMBLY_BOTTOM "USERPART#" at 10800,14650 h25; ASSEMBLY_BOTTOM "TOLERANCE" at 10800,14700 h25; ASSEMBLY_BOTTOM "0.1uF" at 10800,14800 h25; SYMBOL_PART_DIM "0" at 10892,14787 h25; SYMBOL_PART_DIM "0" at 10808,14716 h25; SYMBOL_PART_DIM "C402-35X32" at 10923,14662 h25; SYMBOL_PART_DIM "PAD 35X32 OV" at 10923,14612 h25
C265: PIN_NUMBER "2" at 13572,12185 h20 r180; PIN_NUMBER "1" at 13532,12185 h20 r180; ASSEMBLY_BOTTOM "USERPART#" at 13560,12335 h25 r180; ASSEMBLY_BOTTOM "TOLERANCE" at 13560,12285 h25 r180; ASSEMBLY_BOTTOM "0.1uF" at 13560,12185 h25 r180; SYMBOL_PART_DIM "0" at 13468,12198 h25 r180; SYMBOL_PART_DIM "0" at 13552,12269 h25 r180; SYMBOL_PART_DIM "C402-35X32" at 13437,12323 h25 r180; SYMBOL_PART_DIM "PAD 35X32 OV" at 13437,12373 h25 r180
C266: PIN_NUMBER "2" at 10202,13640 h20 r270; PIN_NUMBER "1" at 10202,13600 h20 r270; ASSEMBLY_BOTTOM "USERPART#" at 10060,13620 h25 r270; ASSEMBLY_BOTTOM "TOLERANCE" at 10110,13620 h25 r270; SYMBOL_PART_DIM "0" at 10197,13528 h25 r270; SYMBOL_PART_DIM "0" at 10126,13612 h25 r270; SYMBOL_PART_DIM "C402-35X32" at 10072,13497 h25 r270; SYMBOL_PART_DIM "PAD 35X32 OV" at 10022,13497 h25 r270
C267: PIN_NUMBER "2" at 17227,13490 h20 r90; PIN_NUMBER "1" at 17227,13450 h20 r90; ASSEMBLY_TOP "USERPART#" at 17385,13470 h25 r90; ASSEMBLY_TOP "TOLERANCE" at 17335,13470 h25 r90; ASSEMBLY_TOP "NO-POP" at 17235,13470 h25 r90; SYMBOL_PART_DIM "0" at 17248,13378 h25 r90; SYMBOL_PART_DIM "0" at 17319,13462 h25 r90; SYMBOL_PART_DIM "C402-35X32" at 17373,13347 h25 r90; SYMBOL_PART_DIM "PAD 35X32 OV" at 17423,13347 h25 r90
C268: PIN_NUMBER "2" at 17177,13490 h20 r90; PIN_NUMBER "1" at 17177,13450 h20 r90; ASSEMBLY_TOP "USERPART#" at 17335,13470 h25 r90; ASSEMBLY_TOP "TOLERANCE" at 17285,13470 h25 r90; ASSEMBLY_TOP "0.1uF" at 17185,13470 h25 r90; SYMBOL_PART_DIM "0" at 17198,13378 h25 r90; SYMBOL_PART_DIM "0" at 17269,13462 h25 r90; SYMBOL_PART_DIM "C402-35X32" at 17323,13347 h25 r90; SYMBOL_PART_DIM "PAD 35X32 OV" at 17373,13347 h25 r90
C269: PIN_NUMBER "2" at 17127,13490 h20 r90; PIN_NUMBER "1" at 17127,13450 h20 r90; ASSEMBLY_TOP "USERPART#" at 17285,13470 h25 r90; ASSEMBLY_TOP "TOLERANCE" at 17235,13470 h25 r90; ASSEMBLY_TOP "0.1uF" at 17135,13470 h25 r90; SYMBOL_PART_DIM "0" at 17148,13378 h25 r90; SYMBOL_PART_DIM "0" at 17219,13462 h25 r90; SYMBOL_PART_DIM "C402-35X32" at 17273,13347 h25 r90; SYMBOL_PART_DIM "PAD 35X32 OV" at 17323,13347 h25 r90
C270: PIN_NUMBER "1" at 10402,15275 h20 r270; PIN_NUMBER "2" at 10402,15315 h20 r270; ASSEMBLY_BOTTOM "USERPART#" at 10260,15295 h25 r270; ASSEMBLY_BOTTOM "TOLERANCE" at 10310,15295 h25 r270; SYMBOL_PART_DIM "0" at 10397,15203 h25 r270; SYMBOL_PART_DIM "0" at 10326,15287 h25 r270; SYMBOL_PART_DIM "C402-35X32" at 10272,15172 h25 r270; SYMBOL_PART_DIM "PAD 35X32 OV" at 10222,15172 h25 r270
C271: PIN_NUMBER "1" at 11117,15280 h20 r270; PIN_NUMBER "2" at 11117,15320 h20 r270; ASSEMBLY_BOTTOM "USERPART#" at 10975,15300 h25 r270; ASSEMBLY_BOTTOM "TOLERANCE" at 11025,15300 h25 r270; SYMBOL_PART_DIM "0" at 11112,15208 h25 r270; SYMBOL_PART_DIM "0" at 11041,15292 h25 r270; SYMBOL_PART_DIM "C402-35X32" at 10987,15177 h25 r270; SYMBOL_PART_DIM "PAD 35X32 OV" at 10937,15177 h25 r270
C272: PIN_NUMBER "1" at 12386,13328 h20; PIN_NUMBER "2" at 12346,13328 h20; ASSEMBLY_BOTTOM "USERPART#" at 12374,13178 h25; ASSEMBLY_BOTTOM "TOLERANCE" at 12374,13228 h25; ASSEMBLY_BOTTOM "0.01uF" at 12374,13328 h25; SYMBOL_PART_DIM "0" at 12466,13315 h25; SYMBOL_PART_DIM "0" at 12382,13244 h25; SYMBOL_PART_DIM "C402-35X32" at 12497,13190 h25; SYMBOL_PART_DIM "PAD 35X32 OV" at 12497,13140 h25
C273: PIN_NUMBER "2" at 11942,11565 h20; PIN_NUMBER "1" at 11982,11565 h20; ASSEMBLY_BOTTOM "USERPART#" at 11970,11415 h25; ASSEMBLY_BOTTOM "TOLERANCE" at 11970,11465 h25; ASSEMBLY_BOTTOM "0.1uF" at 11970,11565 h25; SYMBOL_PART_DIM "0" at 12062,11552 h25; SYMBOL_PART_DIM "0" at 11978,11481 h25; SYMBOL_PART_DIM "C402-35X32" at 12093,11427 h25; SYMBOL_PART_DIM "PAD 35X32 OV" at 12093,11377 h25
C274: PIN_NUMBER "2" at 11987,11775 h20 r180; PIN_NUMBER "1" at 11947,11775 h20 r180; ASSEMBLY_BOTTOM "USERPART#" at 11975,11925 h25 r180; ASSEMBLY_BOTTOM "TOLERANCE" at 11975,11875 h25 r180; ASSEMBLY_BOTTOM "0.1uF" at 11975,11775 h25 r180; SYMBOL_PART_DIM "0" at 11883,11788 h25 r180; SYMBOL_PART_DIM "0" at 11967,11859 h25 r180; SYMBOL_PART_DIM "C402-35X32" at 11852,11913 h25 r180; SYMBOL_PART_DIM "PAD 35X32 OV" at 11852,11963 h25 r180
C275: PIN_NUMBER "2" at 11987,12880 h20 r270; PIN_NUMBER "1" at 11987,12840 h20 r270; ASSEMBLY_BOTTOM "USERPART#" at 11845,12860 h25 r270; ASSEMBLY_BOTTOM "TOLERANCE" at 11895,12860 h25 r270; ASSEMBLY_BOTTOM "NO-POP" at 11995,12860 h25 r270; SYMBOL_PART_DIM "0" at 11982,12768 h25 r270; SYMBOL_PART_DIM "0" at 11911,12852 h25 r270; SYMBOL_PART_DIM "C402-35X32" at 11857,12737 h25 r270; SYMBOL_PART_DIM "PAD 35X32 OV" at 11807,12737 h25 r270
C502: PIN_NUMBER "2" at 17554,11335 h20 r90; PIN_NUMBER "1" at 17554,11395 h20 r90; SYMB_DIM "0" at 17580,11510 h40 r90; SYMB_DIM "0" at 17695,11390 h40 r90; SYMB_DIM "C603-35X45" at 17410,11520 h40 r90; SYMB_DIM "SP  35X45OV" at 17905,11530 h40 r90; SYMB_DIM "SM  43X53OV" at 17835,11530 h40 r90; SYMB_DIM "PAD 35X45OV" at 17760,11530 h40 r90; ASSEMBLY_BOTTOM "X" at 17570,11320 h40 r90; ASSEMBLY_BOTTOM "X" at 17575,11355 h40 r90; ASSEMBLY_BOTTOM "NO-POP" at 17575,11390 h40 r90
C504: PIN_NUMBER "2" at 17479,11165 h20; PIN_NUMBER "1" at 17419,11165 h20; ASSEMBLY_TOP "X" at 17510,11165 h40; ASSEMBLY_TOP "X" at 17475,11160 h40; ASSEMBLY_TOP "NO-POP" at 17440,11160 h40; SYMB_DIM "0" at 17320,11155 h40; SYMB_DIM "0" at 17440,11040 h40; SYMB_DIM "C603-35X45" at 17310,11325 h40; SYMB_DIM "SP  35X45OV" at 17300,10830 h40; SYMB_DIM "SM  43X53OV" at 17300,10900 h40; SYMB_DIM "PAD 35X45OV" at 17300,10975 h40
C518: PIN_NUMBER "2" at 16324,11675 h20; PIN_NUMBER "1" at 16384,11675 h20; SYMB_DIM "0" at 16515,11665 h40; SYMB_DIM "0" at 16395,11550 h40; SYMB_DIM "C603-35X45" at 16525,11835 h40; SYMB_DIM "SP  35X45OV" at 16535,11340 h40; SYMB_DIM "SM  43X53OV" at 16535,11410 h40; SYMB_DIM "PAD 35X45OV" at 16535,11485 h40; ASSEMBLY_BOTTOM "X" at 16325,11675 h40; ASSEMBLY_BOTTOM "X" at 16360,11670 h40; ASSEMBLY_BOTTOM "NO-POP" at 16395,11670 h40